# Altium PCB PCB_WINGLET_V1P_OSR.PcbDoc (part 1 of 4)
Units mm, origin at the board's own origin, x right, y up, seen from the top; angles counter-clockwise.
Board outline 100 x 150 mm, 4 copper layers (L1, L2, L3, L4), stack 1.586 mm thick; 401 components, 270 nets, 1431 pads, 1117 vias.
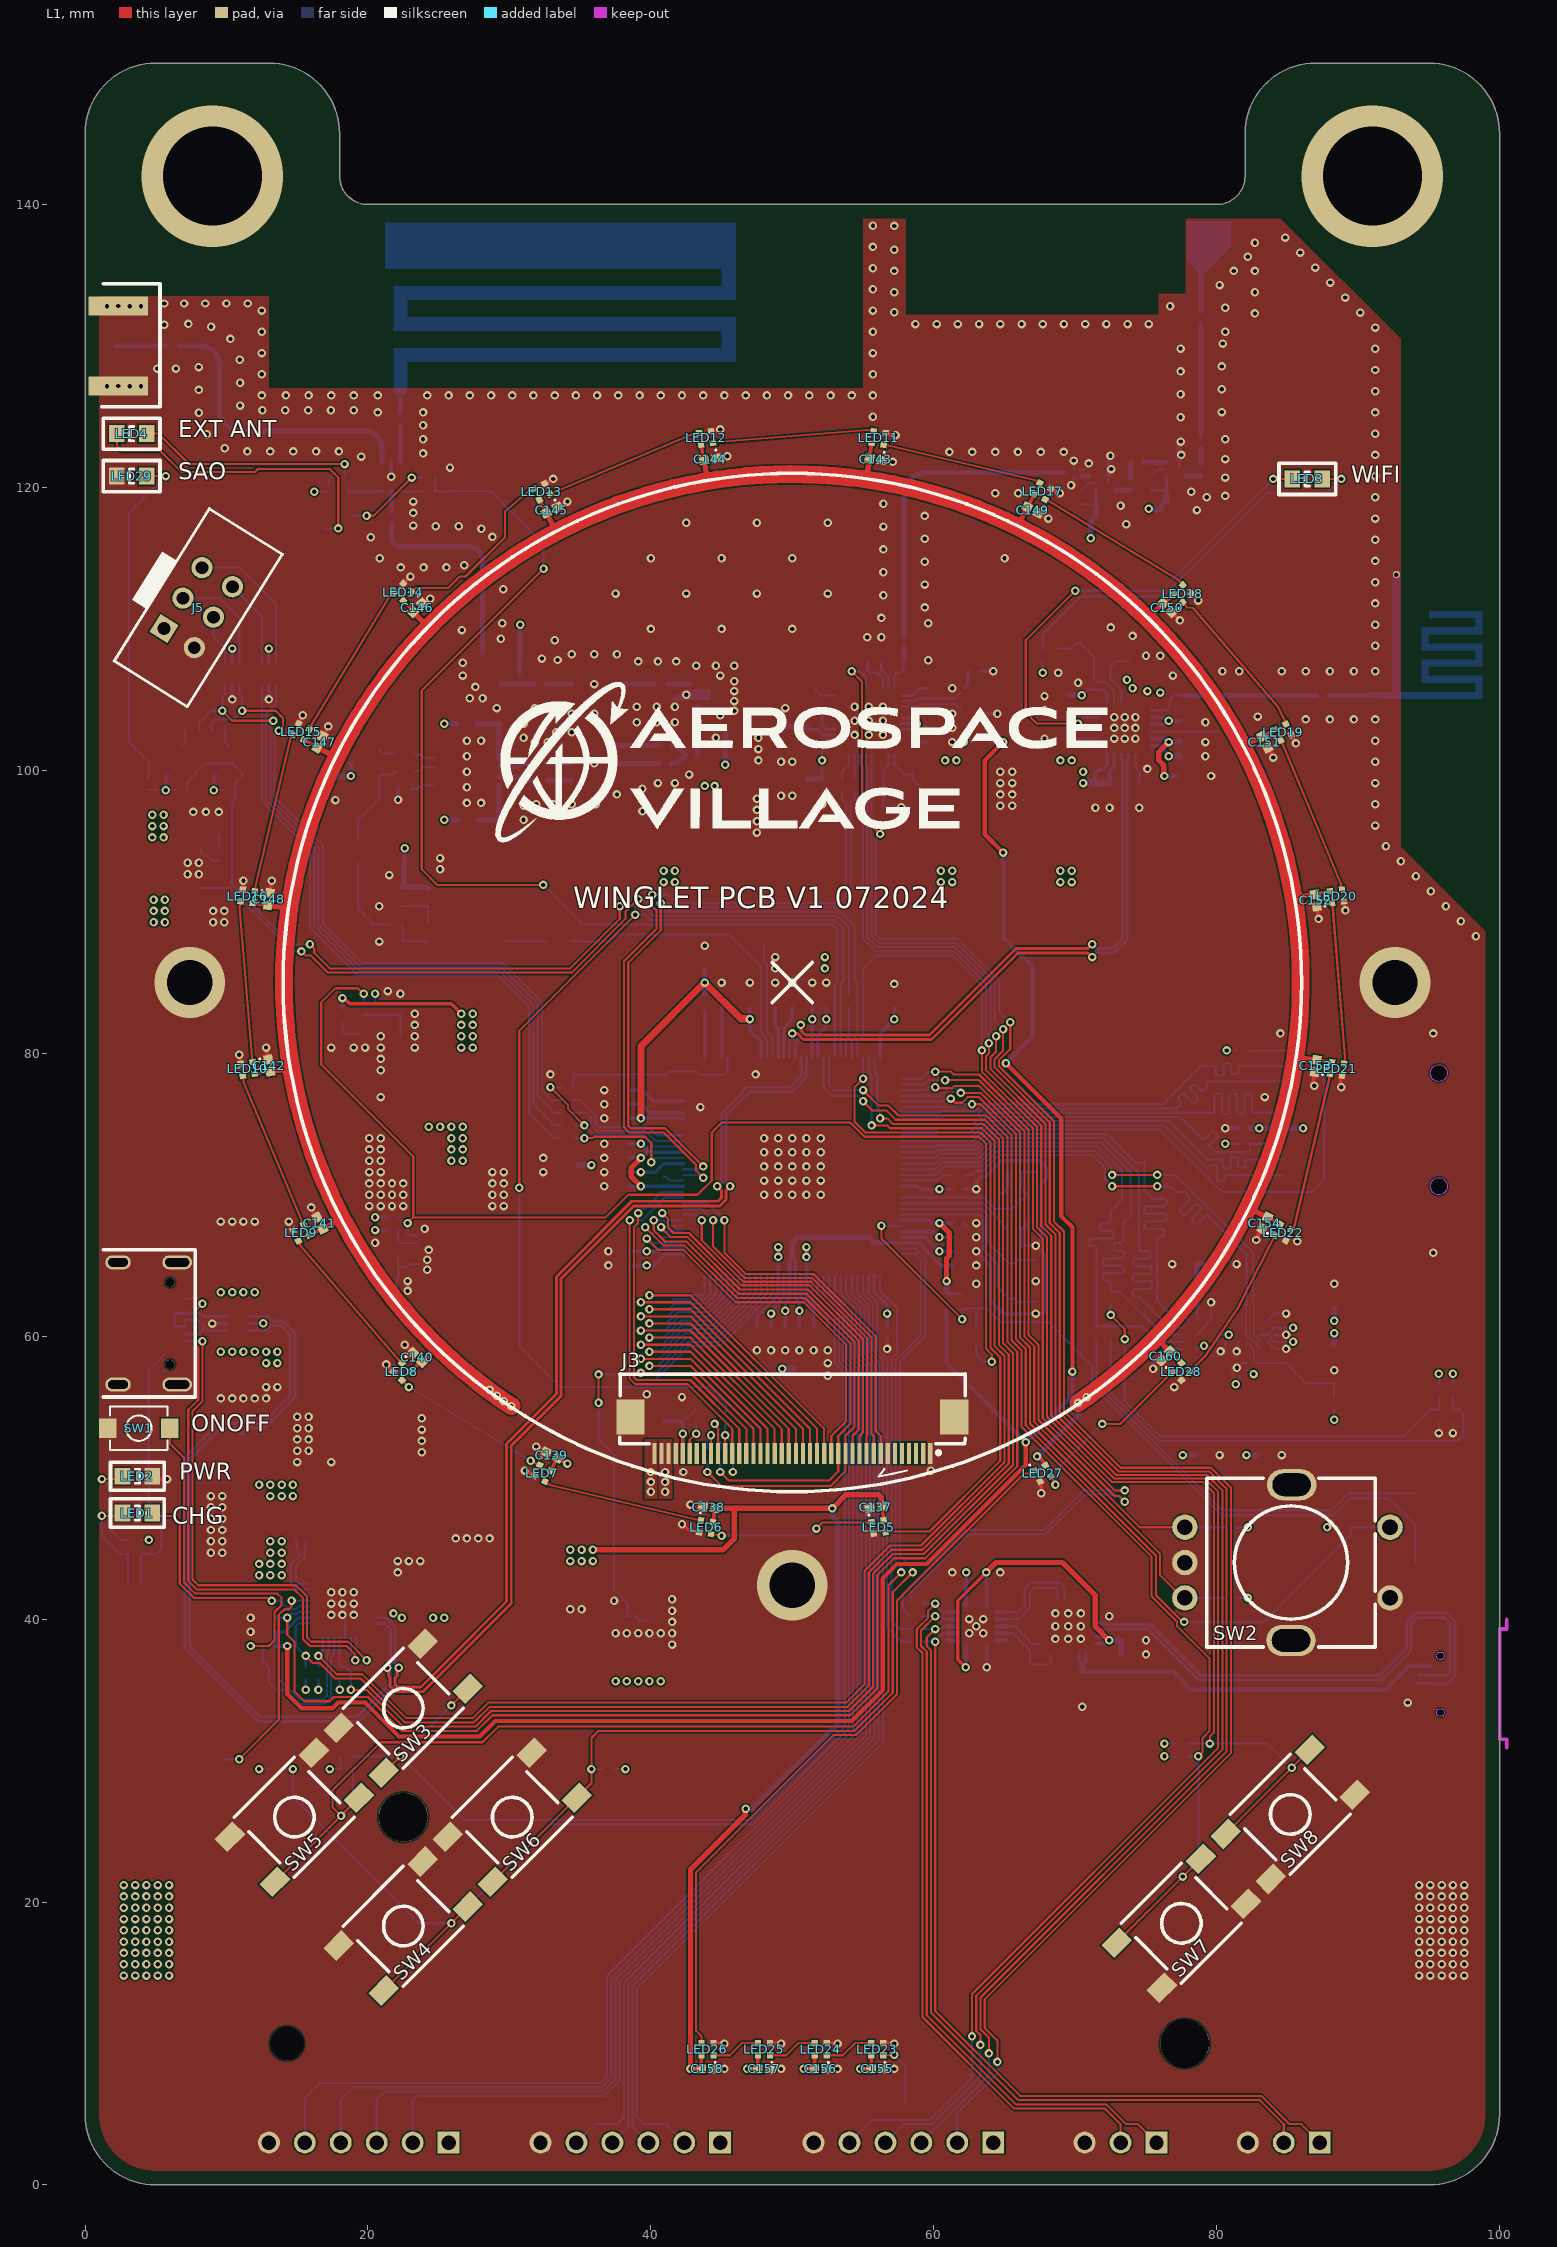
[diagram p0: L1 view]
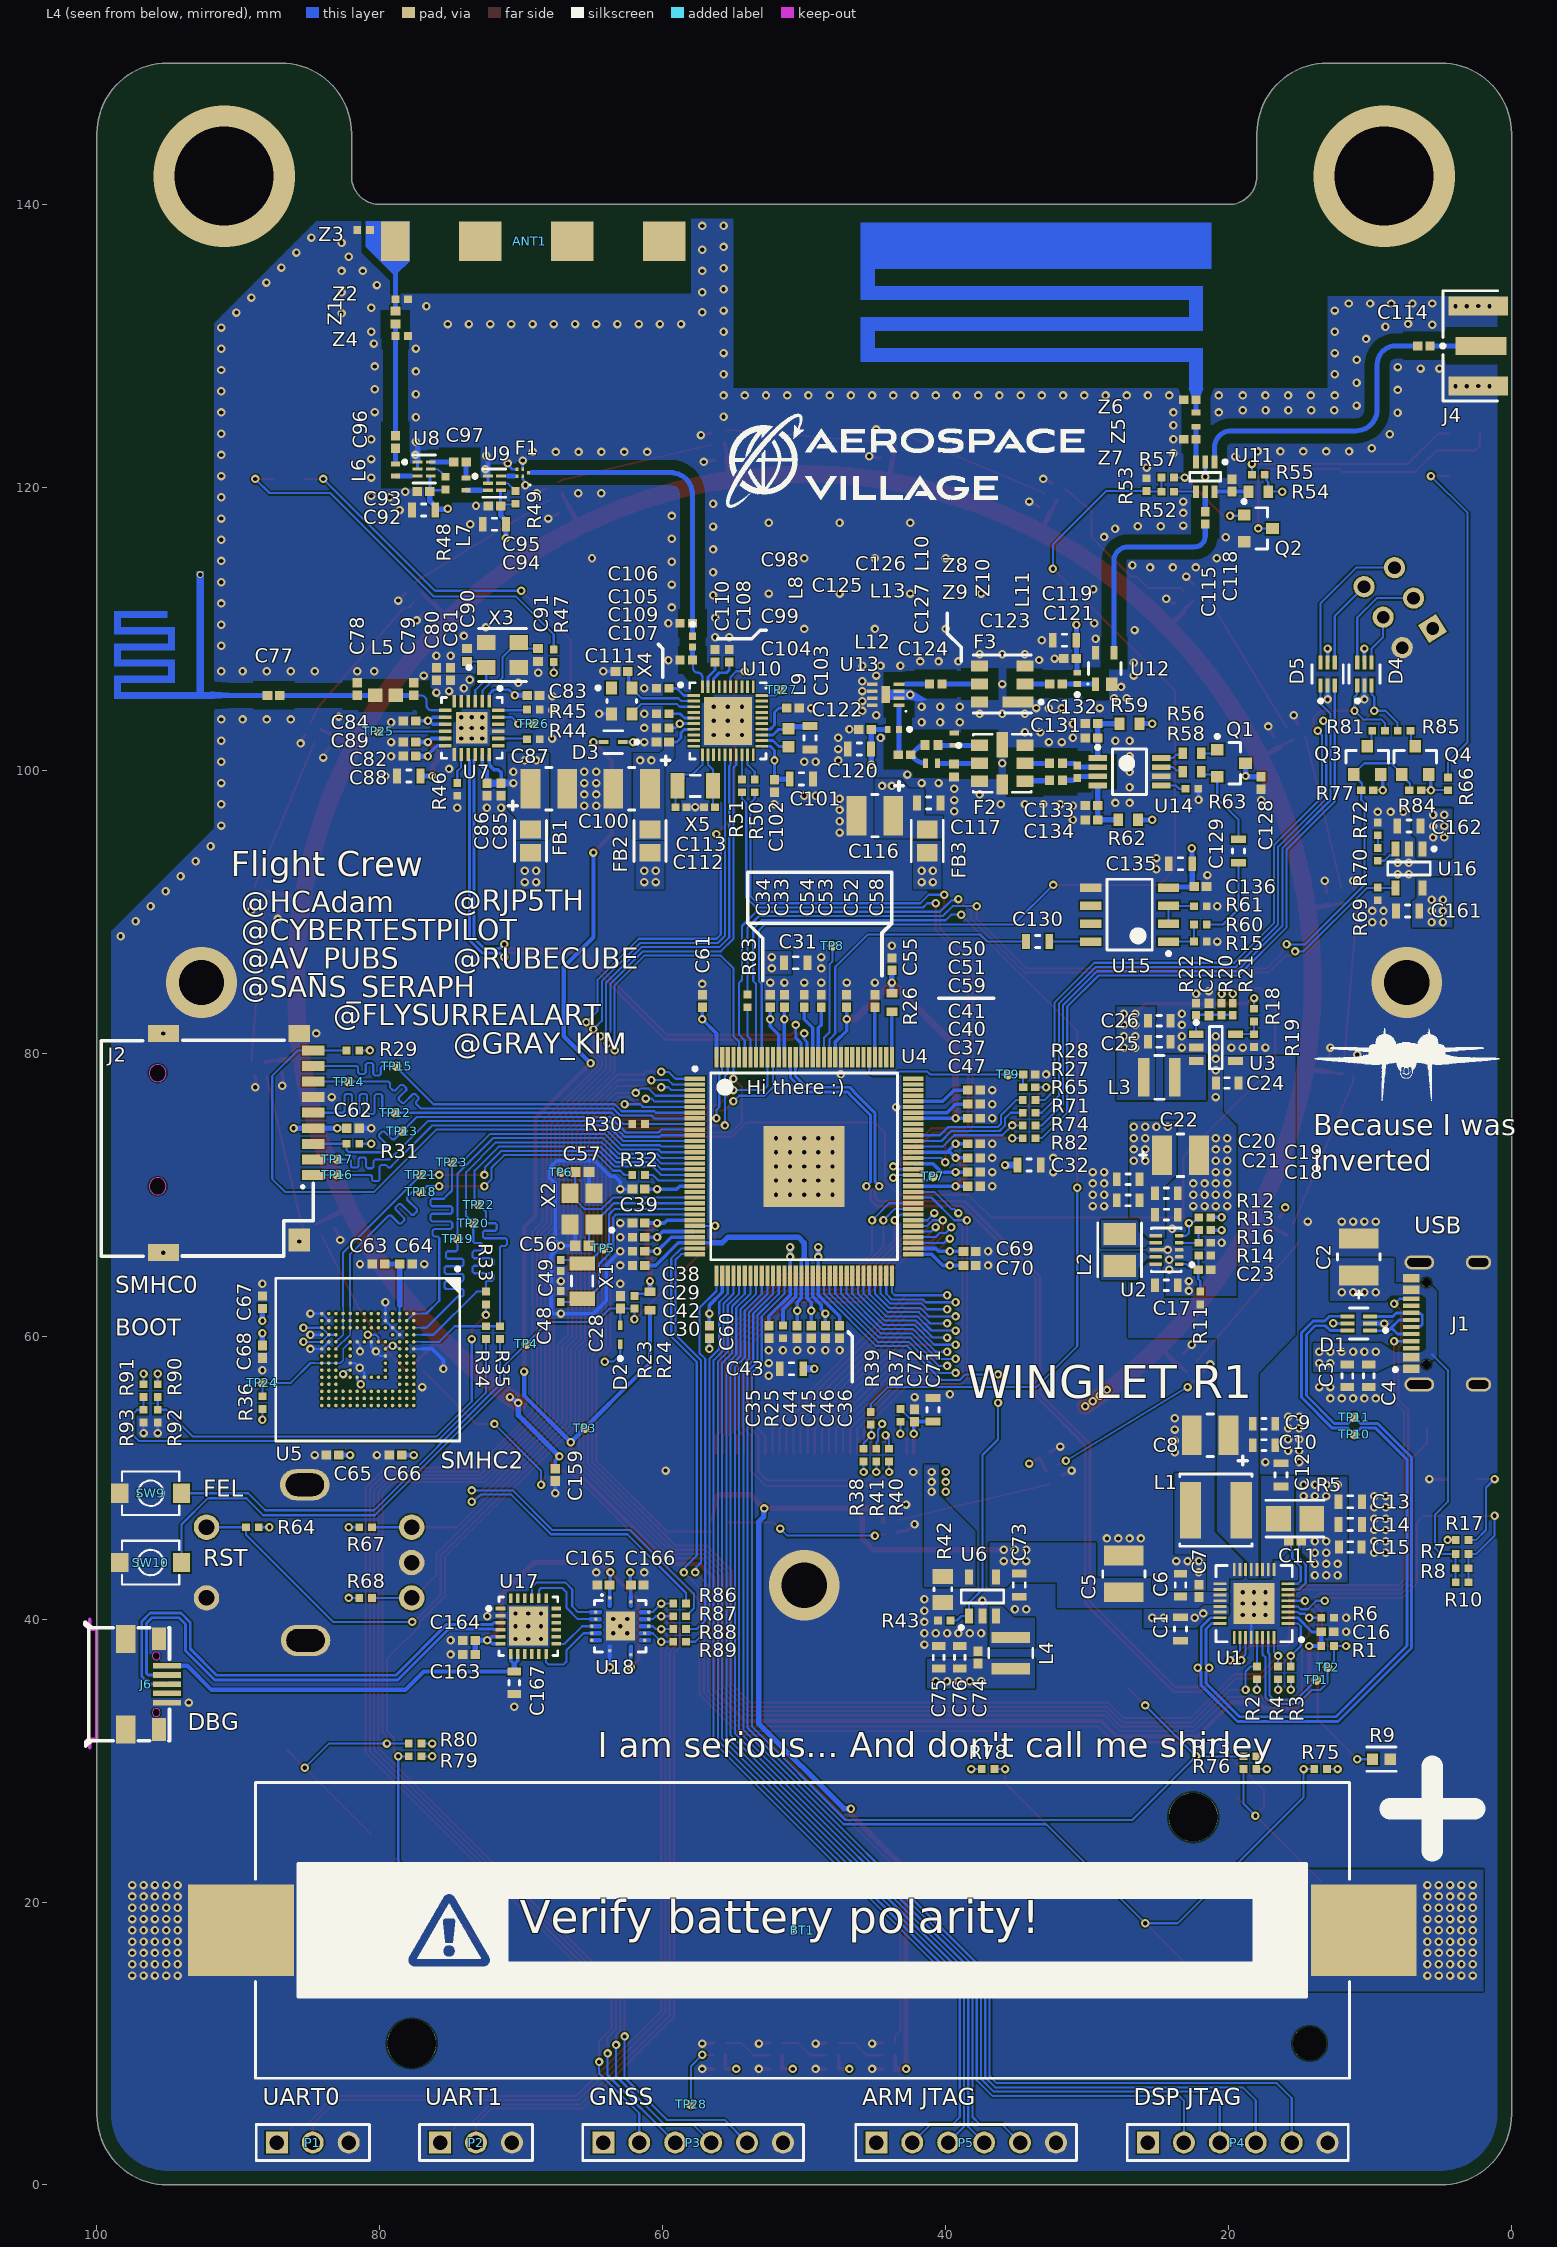
[diagram p1: L4 view, seen from below]
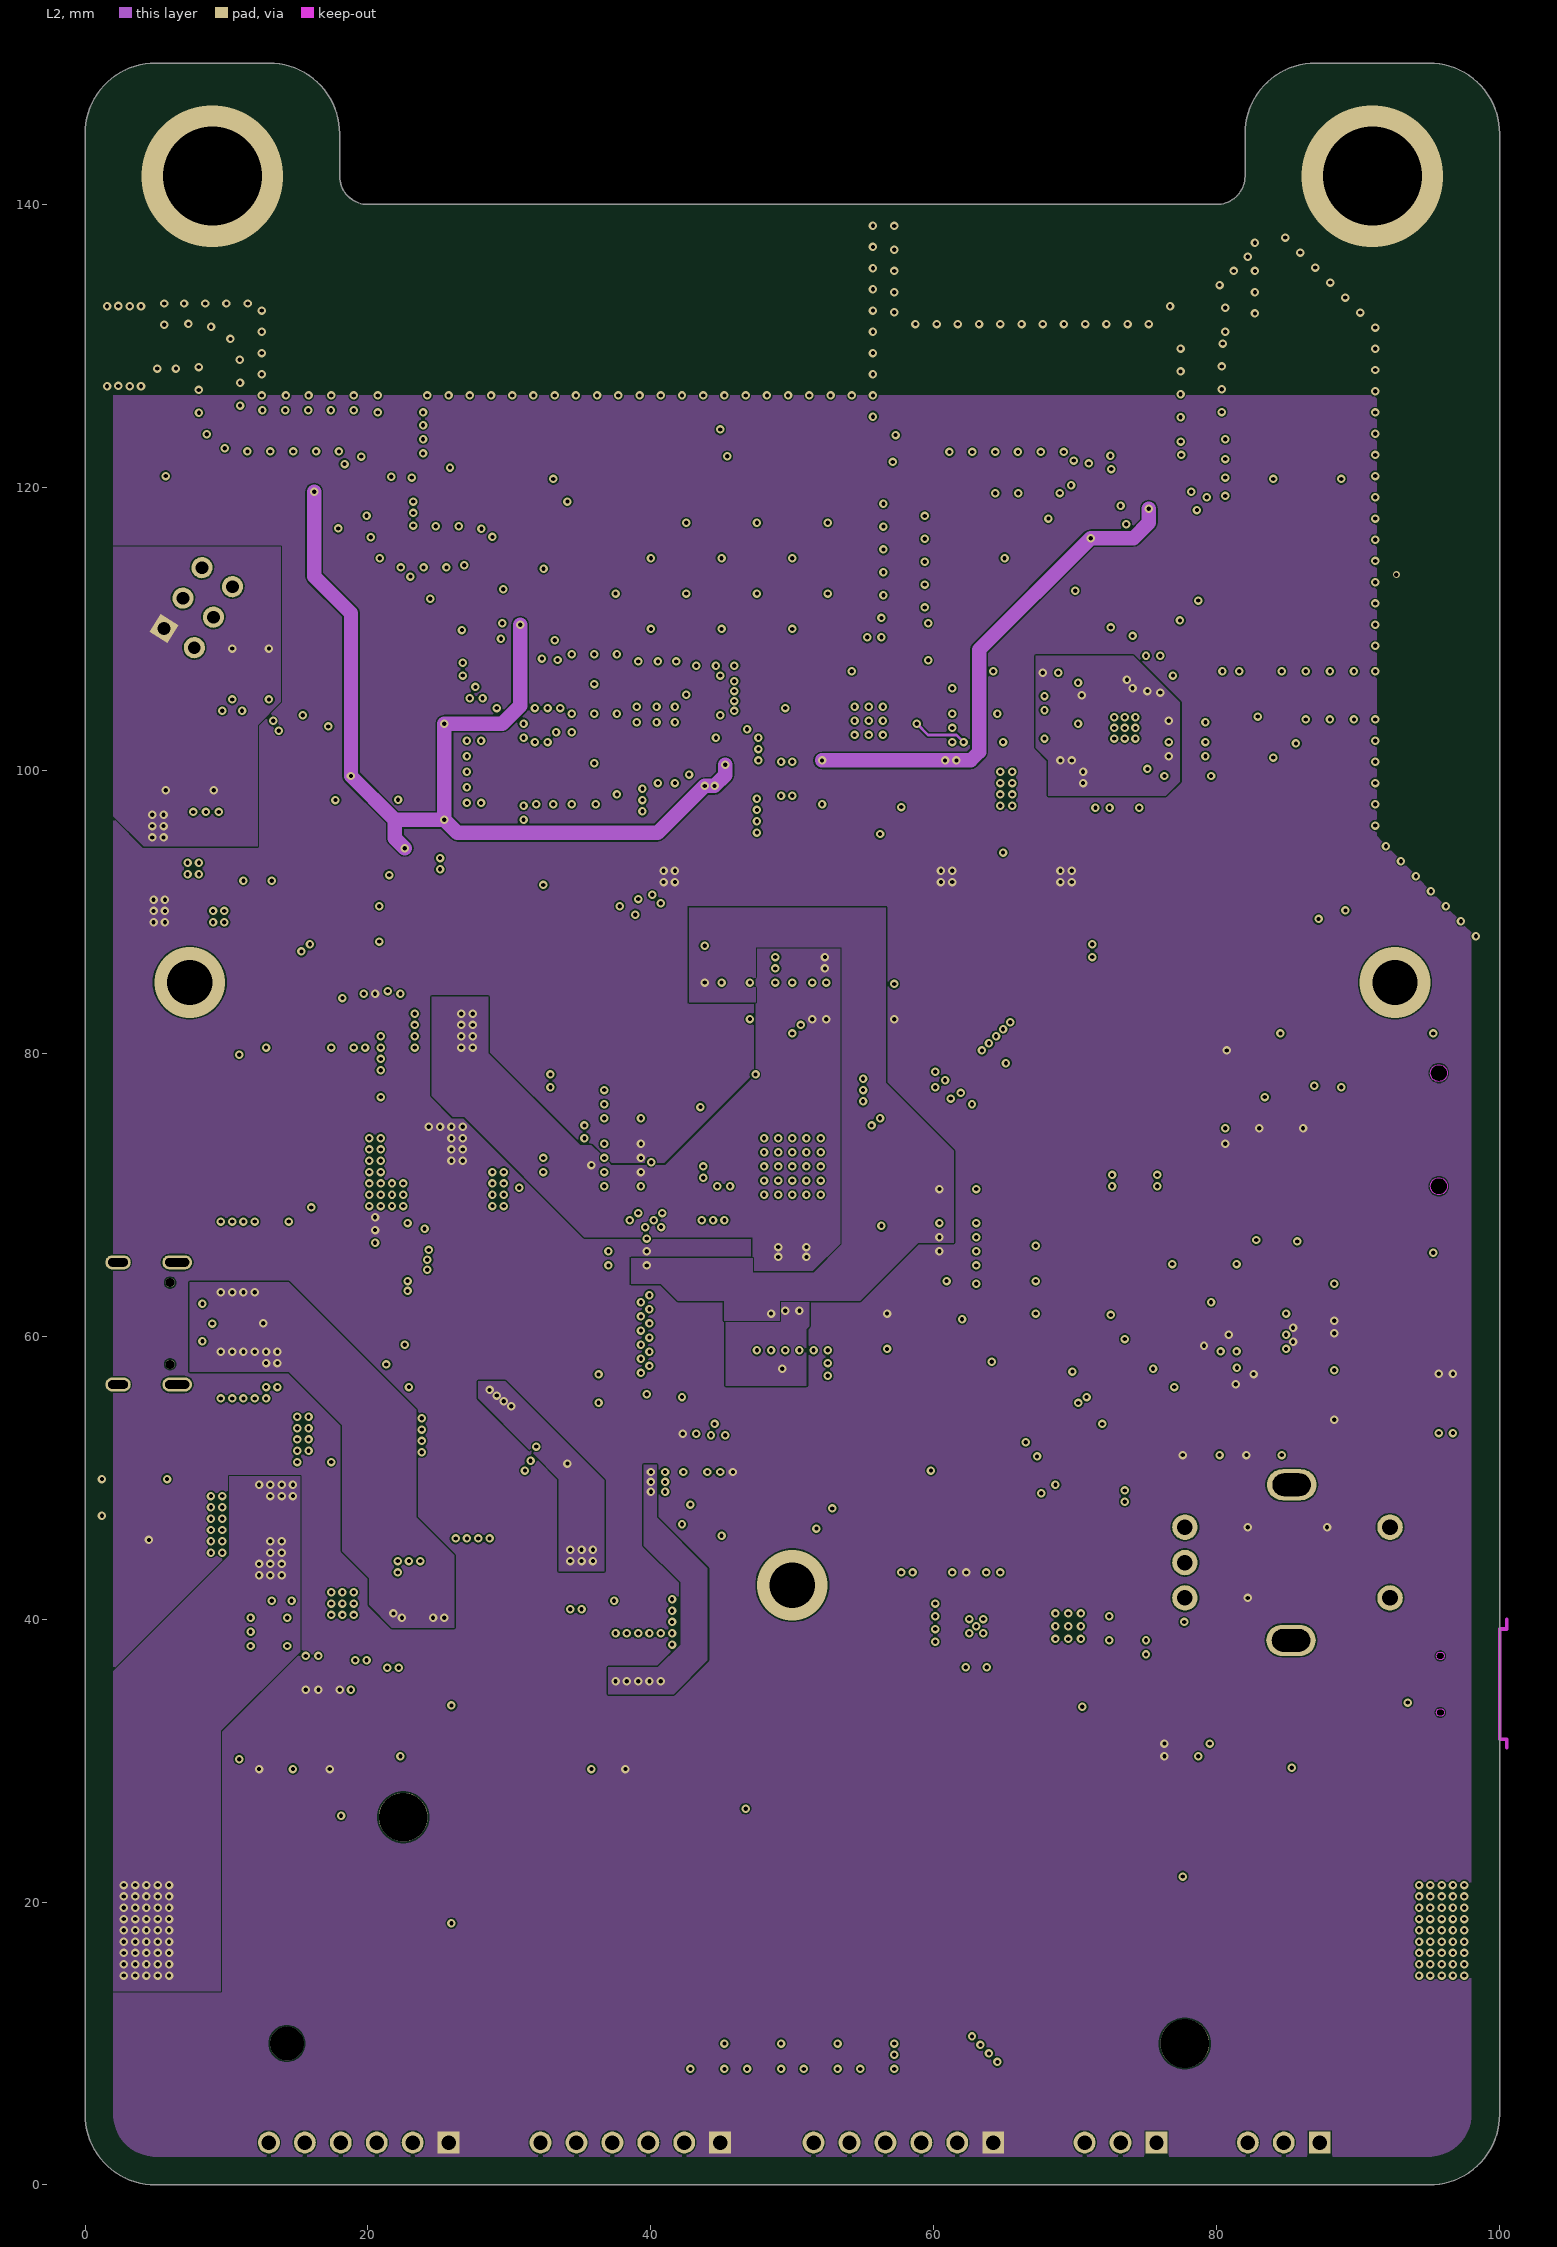
[diagram p2: L2]